# Altium PCB PCB1.PcbDoc (continued)
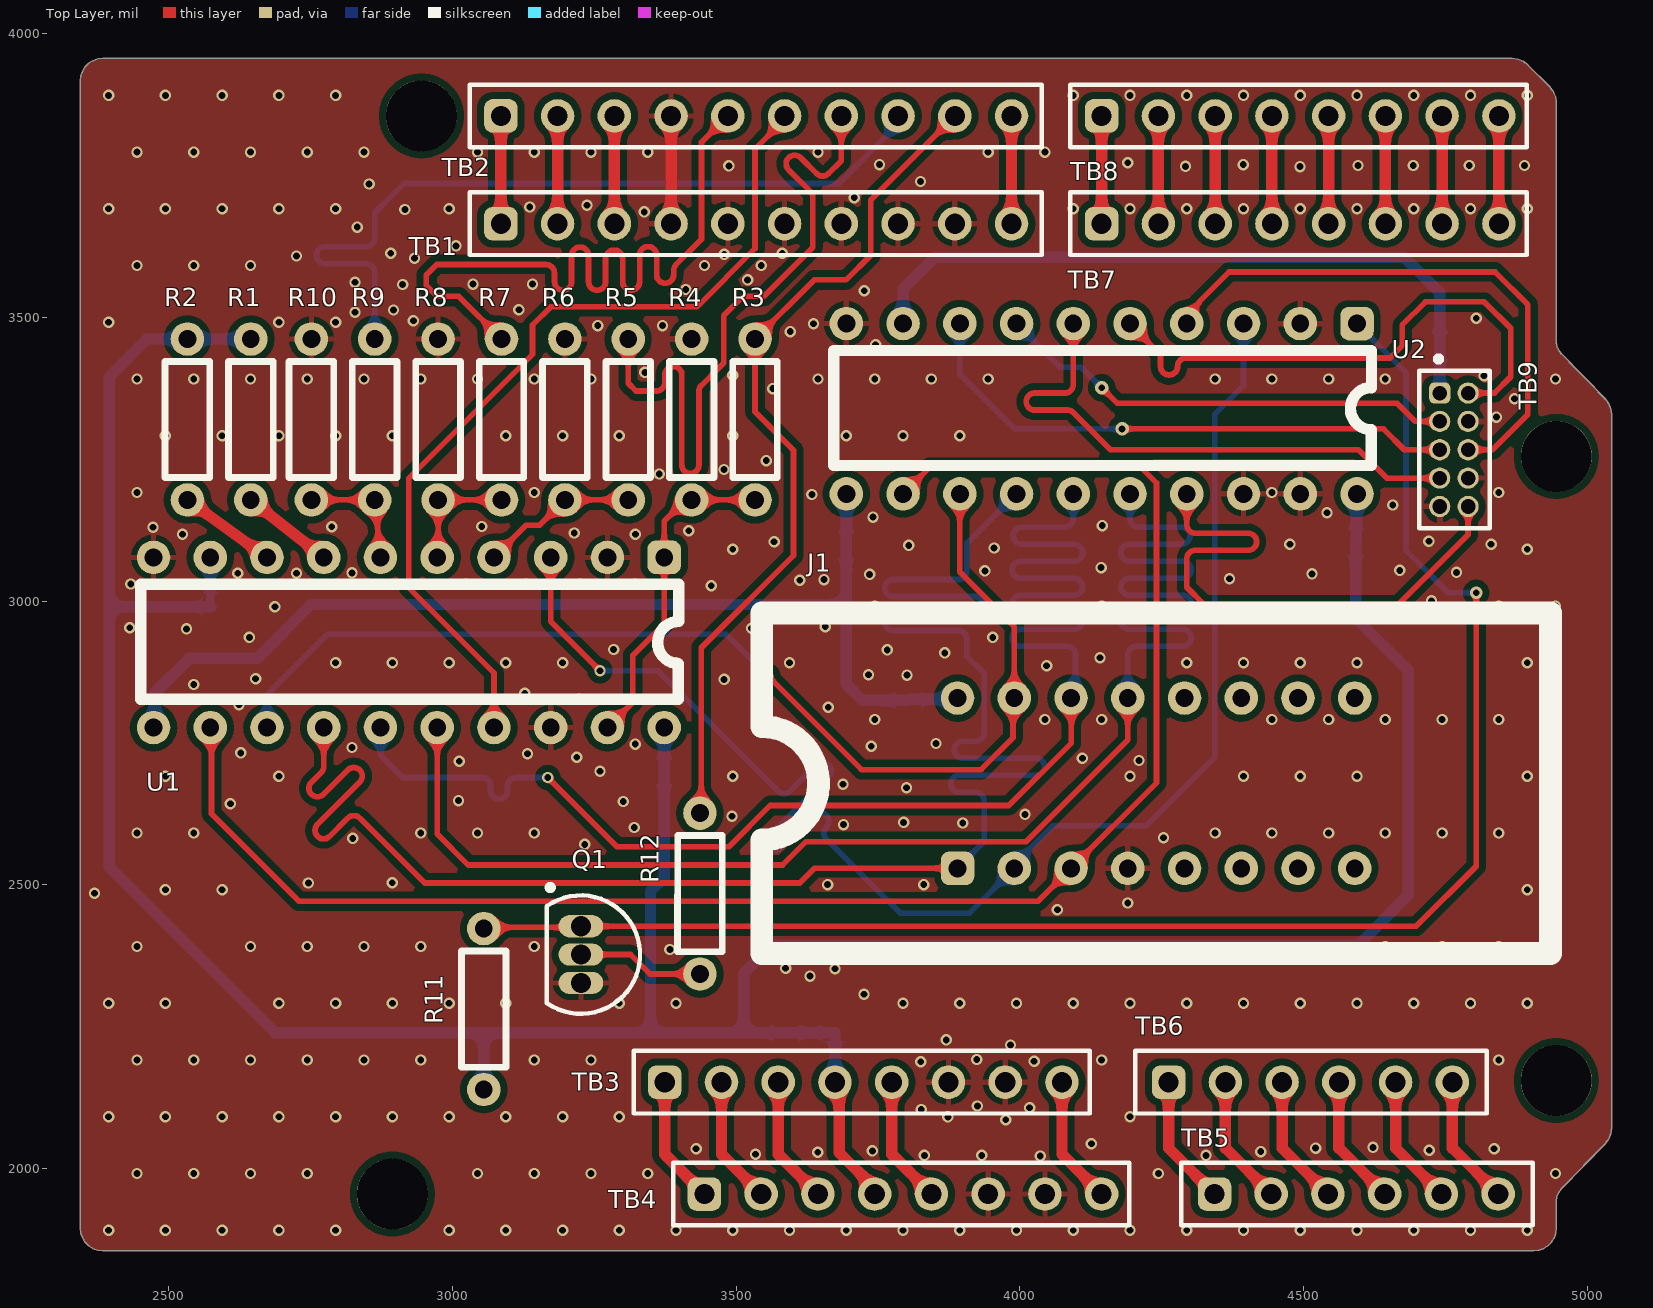
[diagram p0: Top Layer view]
## Nets (pads, with @x,y where several pads share a name; then routed paths per layer and width w, separated by ;. In a path a pad name is that pad's centre, name@x,y a point inside that pad or via, vN(x,y) a via of type N, cw(c..) or ccw(c..) an arc to the next point about the centre after c; other vN are vias at no path point) (continued)
  Top Layer w19.68: R1.1 U1.7
HOLD_OUT: TB9.2 U2.7 | length 817.1
  Top Layer w10: v2(4144,3376.01) 4171.62,3348.38 4664.94,3348.38 4696.67,3316.66 TB9.2
  Bottom Layer w10: U2.7 4071,3412 4108,3412 v2(4144,3376.01)
HOLD_ZIP: J1.15 U1.13 U2.13 | length 2009.4
  Top Layer w10: v1(3555.65,2868) 3720.65,2703 3931.47,2703 3987.68,2759.2 3987.68,2826.68 J1.15 3990,2955.31 3894,3051.31 U2.13
  Bottom Layer w10: U1.13 2673,2835 2779.56,2941.56 3482.09,2941.56 v1(3555.65,2868)
MISO: TB2.6 U1.17 | length 1565.3
  Top Layer w10: U1.17 3073,2873.31 2923,3023.31 2923,3216.71 3141,3434.71 3141,3486.58 3172.95,3518.53 3430.53,3518.53 3533.07,3621.07 3533.07,3796.74 3585.18,3848.85 TB2.6
MISO_OUT: TB9.6 U2.17 | length 994
  Top Layer w10: U2.17 4294,3172.27 4294,3134.45 ccw(c4309,3134.45) 4309,3119.45 4402.11,3119.45 cw(c4402.11,3104.45) 4417.11,3104.45 cw(c4402.11,3104.45) 4402.11,3089.45 4309,3089.45 ccw(c4309,3074.45) 4294,3074.45 4294,3059.45 4294,3024.45 4324.45,2994 4666.74,2994 4789.74,3117 TB9.6
MISO_ZIP: J1.2 U1.3 U2.3 | length 2761.5
  Top Layer w10: U1.3 3173,2963.97 v1(3259.79,2877.18)
  Bottom Layer w10: v1(3259.79,2877.18) 3361.82,2877.18 3559.74,2679.26 3560.33,2678.67 3573.88,2665.12 ccw(c3584.48,2675.73) 3595.09,2665.12 3641.59,2711.62 cw(c3652.2,2701.02) 3662.81,2711.62 cw(c3652.2,2701.02) 3662.81,2690.41 3559.01,2586.62 ccw(c3569.62,2576.01) 3559.01,2565.4 ccw(c3569.62,2576.01) 3580.23,2565.4 3637.52,2622.7 cw(c3648.12,2612.09) 3658.73,2622.7 cw(c3648.12,2612.09) 3658.73,2601.48 ccw(c3669.34,2590.88) 3658.73,2580.27 3669.34,2569.66 3690.55,2548.45 3711.76,2527.24 3732.98,2506.02 3754.19,2484.81 3789,2450 3797.72,2450 3911,2450 J1.2 3990,2536 4058,2604 4222.68,2604 4343.47,2724.79 4343.47,3329.48 4394,3380 U2.3
MOSI: R5.2 TB2.7 | length 1291.7
  Top Layer w10: R5.2 3309.67,3383.88 3323.36,3370.19 3329.61,3370.19 3330.55,3370.19 3359.2,3370.19 ccw(c3359.2,3385.19) 3374.2,3385.19 3374.2,3398.47 cw(c3389.2,3398.47) 3389.2,3413.47 cw(c3389.2,3398.47) 3404.2,3398.47 3404.2,3239.8 ccw(c3419.2,3239.8) 3419.2,3224.8 ccw(c3419.2,3239.8) 3434.2,3239.8 3434.2,3369.55 cw(c3449.2,3369.55) 3438.6,3380.16 3469.2,3410.76 3478,3419.56 3478,3503.08 3511.92,3537 3548.59,3537 3635,3623.41 3635,3668 3635,3711.28 ccw(c3620,3711.28) 3630.61,3721.89 3592.34,3760.16 cw(c3602.94,3770.77) 3592.34,3781.38 cw(c3602.94,3770.77) 3613.55,3781.38 3641.45,3753.48 ccw(c3652.05,3764.08) 3662.66,3753.48 3685.18,3776 TB2.7
  Bottom Layer w10: TB2.7@3685.18,3848.47 TB2.7
MOSI_OUT: TB9.8 U2.4 | length 996.8
  Top Layer w10: U2.4 4294,3503.99 4315.81,3525.81 4315.81,3527.31 4368.52,3580.01 4837.38,3580.01 4895.11,3522.29 4895.11,3329.11 4832.65,3266.66 TB9.8
MOSI_ZIP: J1.13 U1.16 U2.16 | length 2823.5
  Top Layer w10: U1.16 2973,2589.45 3027.45,2535 3581.8,2535 3622.8,2576 4010.99,2576 4190,2755.01 J1.13
  Bottom Layer w10: J1.13 4190,2855.21 4190,2890.21 4190,2905.21 cw(c4205,2905.21) 4205,2920.21 4286.76,2920.21 ccw(c4286.76,2935.21) 4301.76,2935.21 ccw(c4286.76,2935.21) 4286.76,2950.21 4192.7,2950.21 cw(c4192.7,2965.21) 4177.7,2965.21 cw(c4192.7,2965.21) 4192.7,2980.21 4286.76,2980.21 ccw(c4286.76,2995.21) 4301.76,2995.21 ccw(c4286.76,2995.21) 4286.76,3010.21 4192.7,3010.21 cw(c4192.7,3025.21) 4177.7,3025.21 cw(c4192.7,3025.21) 4192.7,3040.21 4286.76,3040.21 ccw(c4286.76,3055.21) 4301.76,3055.21 ccw(c4286.76,3055.21) 4286.76,3070.21 4192.7,3070.21 cw(c4192.7,3085.21) 4177.7,3085.21 cw(c4192.7,3085.21) 4192.7,3100.21 4284.7,3100.21 ccw(c4284.7,3115.21) 4299.7,3115.21 ccw(c4284.7,3115.21) 4284.7,3130.21 4209,3130.21 cw(c4209,3145.21) 4194,3145.21 U2.16@4194,3174.5 ; U2.16@4194,3174.5 U2.16 U2.16@4194,3174.5
NetQ1_1: Q1.1 R11.1 U2.1 | length 2866.6
  Top Layer w10: R11.1 3057.13,2424.86 3224.06,2424.86 Q1.1 4698.21,2426.99 4804,2532.77 v3(4804,3014.64)
  Bottom Layer w10: U2.1 4680.35,3402.65 4680.35,3089.12 4754.83,3014.64 v3(4804,3014.64)
NetQ1_2: Q1.2 R12.2 | length 232.8
  Top Layer w10: Q1.2@3226.55,2376.63 Q1.2 3313.55,2376.99 3347.8,2342.74 R12.2 R12.2@3430.17,2348.57
NetR3_1: R3.1 R4.2 U1.1 U1.19 | length 585.9
  Top Layer w10: U1.19 3317.53,2821.53 3317.53,2904.29 3373,2959.76 U1.1 3373,3141.03 3406.02,3174.06 3417.16,3174.06 R4.2 ; R4.2@3421.37,3166.27 3433.37,3178.27 R3.1
NetR5_1: R5.1 R6.2 U1.4 | length 292.3
  Top Layer w10: U1.4@3062.9,3085.6 3064.4,3085.6 U1.4 3129.74,3133.74 3153.44,3133.74 R6.2 R5.1
NetR7_1: R7.1 R8.2 U1.5 | length 222
  Top Layer w10: U1.5@2967.07,3082.93 U1.5 2974.57,3078.57 R8.2 R7.1
NetR9_1: R9.1 R10.2 U1.6 | length 213.5
  Top Layer w10: R10.2@2771.73,3178.27 R9.1 U1.6 U1.6@2852.44,3077
NetTB1_1: TB1.1 TB2.1 | length 190
  Top Layer w20: TB1.1 TB2.1
NetTB1_2: TB1.2 TB2.2 | length 190
  Top Layer w20: TB1.2 TB2.2
NetTB1_3: TB1.3 TB2.3 | length 190
  Top Layer w20: TB1.3 TB2.3
NetTB1_10: TB1.10 TB2.10 | length 190
  Top Layer w20: TB1.10 TB2.10
NetTB3_1: TB3.1 TB4.1 | length 226
  Top Layer w20: TB3.1 3374,2025 TB4.1
NetTB3_2: TB3.2 TB4.2 | length 226
  Top Layer w20: TB3.2 3474,2025 TB4.2
NetTB3_3: TB3.3 TB4.3 | length 226
  Top Layer w20: TB3.3 3574,2025 TB4.3
NetTB3_5: TB3.5 TB4.5 | length 226
  Top Layer w20: TB3.5 3774,2025 TB4.5
NetTB3_8: TB3.8 TB4.8 | length 226
  Top Layer w20: TB3.8 4074,2025 TB4.8
NetTB5_1: TB5.1 TB6.1 | length 230.5
  Top Layer w20: TB6.1 4262,2035.85 TB5.1
NetTB5_2: TB5.2 TB6.2 | length 230.5
  Top Layer w20: TB6.2 4362,2035.85 TB5.2
NetTB5_3: TB5.3 TB6.3 | length 230.5
  Top Layer w20: TB6.3 4462,2035.85 TB5.3
NetTB5_4: TB5.4 TB6.4 | length 230.5
  Top Layer w20: TB6.4 4562,2035.85 TB5.4
NetTB5_5: TB5.5 TB6.5 | length 230.5
  Top Layer w20: TB6.5 4662,2035.85 TB5.5
NetTB5_6: TB5.6 TB6.6 | length 230.5
  Top Layer w20: TB6.6 4762,2035.85 TB5.6
NetTB7_1: TB7.1 TB8.1 | length 190
  Top Layer w20: TB7.1 TB8.1
NetTB7_2: TB7.2 TB8.2 | length 190
  Top Layer w20: TB7.2 TB8.2
NetTB7_3: TB7.3 TB8.3 | length 190
  Top Layer w20: TB7.3 TB8.3
NetTB7_4: TB7.4 TB8.4 | length 190
  Top Layer w20: TB7.4 TB8.4
NetTB7_5: TB7.5 TB8.5 | length 190
  Top Layer w20: TB7.5 TB8.5
NetTB7_6: TB7.6 TB8.6 | length 190
  Top Layer w20: TB7.6 TB8.6
NetTB7_7: TB7.7 TB8.7 | length 190
  Top Layer w20: TB7.7 TB8.7
NetTB7_8: TB7.8 TB8.8 | length 190
  Top Layer w20: TB7.8 TB8.8
SCK: R7.2 TB2.5 | length 1352.8
  Top Layer w10: R7.2@3087.97,3463.43 R7.2 3011,3537 2972.98,3537 2953.69,3556.29 2953.69,3574.57 2972.12,3593 3114.71,3593 3149.71,3593 3164.71,3593 cw(c3164.71,3578) 3179.71,3578 3179.71,3562.81 ccw(c3194.71,3562.81) 3194.71,3547.81 ccw(c3194.71,3562.81) 3209.71,3562.81 3209.71,3608.73 cw(c3224.71,3608.73) 3224.71,3623.73 cw(c3224.71,3608.73) 3239.71,3608.73 3239.71,3562.81 ccw(c3254.71,3562.81) 3254.71,3547.81 ccw(c3254.71,3562.81) 3269.71,3562.81 3269.71,3603.47 cw(c3284.71,3603.47) 3284.71,3618.47 cw(c3284.71,3603.47) 3299.71,3603.47 3299.71,3562.81 ccw(c3314.71,3562.81) 3314.71,3547.81 ccw(c3314.71,3562.81) 3329.71,3562.81 3329.71,3609.67 cw(c3344.71,3609.67) 3344.71,3624.67 cw(c3344.71,3609.67) 3359.71,3609.67 3359.71,3575.05 ccw(c3374.71,3575.05) 3374.71,3560.05 ccw(c3374.71,3575.05) 3389.71,3575.05 3389.71,3582.5 cw(c3404.71,3582.5) 3394.1,3593.1 3433.37,3632.37 3438.32,3637.32 ; 3438.65,3637.65 3438.65,3808.47 TB2.5
SCK_OUT: TB9.10 U2.5 | length 994.1
  Top Layer w10: U2.5 4194,3488.47 4210.88,3471.59 4243.37,3439.1 cw(c4232.77,3428.49) 4247.77,3428.49 4247.77,3413.44 ccw(c4262.77,3413.44) 4262.77,3398.44 ccw(c4262.77,3413.44) 4277.77,3413.44 4277.77,3413.5 cw(c4292.77,3413.5) 4292.77,3428.5 4312.77,3428.5 4652.23,3428.5 4673.53,3449.8 4673.53,3486.36 4714.47,3527.31 4818.24,3527.31 4864.88,3480.67 4864.88,3395.23 4836.3,3366.66 TB9.10
SCK_ZIP: J1.14 U1.15 U2.15 | length 2756
  Top Layer w10: v1@3167.79,2689 3289.79,2567 3487,2567 3559.69,2639.69 3980.16,2639.69 4090.54,2750.06 4090.54,2825.54 J1.14@4094,2829
  Bottom Layer w10: U1.15 2873,2728.17 2912.17,2689 3004.1,2689 3052,2689 cw(c3052,2674) 3067,2674 3067,2666.21 ccw(c3082,2666.21) 3082,2651.21 ccw(c3082,2666.21) 3097,2666.21 3097,2674 cw(c3112,2674) 3112,2689 3132,2689 v1(3167.77,2689) ; U2.15 4094,3174.5 4094,3145.21 cw(c4079,3145.21) 4079,3130.21 4003.3,3130.21 ccw(c4003.3,3115.21) 3988.3,3115.21 ccw(c4003.3,3115.21) 4003.3,3100.21 4095.3,3100.21 cw(c4095.3,3085.21) 4110.3,3085.21 cw(c4095.3,3085.21) 4095.3,3070.21 4001.24,3070.21 ccw(c4001.24,3055.21) 3986.24,3055.21 ccw(c4001.24,3055.21) 4001.24,3040.21 4095.3,3040.21 cw(c4095.3,3025.21) 4110.3,3025.21 cw(c4095.3,3025.21) 4095.3,3010.21 4001.24,3010.21 ccw(c4001.24,2995.21) 3986.24,2995.21 ccw(c4001.24,2995.21) 4001.24,2980.21 4095.3,2980.21 cw(c4095.3,2965.21) 4110.3,2965.21 cw(c4095.3,2965.21) 4095.3,2950.21 4001.24,2950.21 ccw(c4001.24,2935.21) 3986.24,2935.21 ccw(c4001.24,2935.21) 4001.24,2920.21 4083,2920.21 cw(c4083,2905.21) 4098,2905.21 4098,2890.21 4098,2855.21 J1.14@4098,2829
VCC_SPI_OUT: C3.2 TB9.1 U2.9 | length 1233.1
  Bottom Layer w20: U2.9 3794,3550 3850,3606 4677.74,3606 4739.87,3543.87 4739.87,3448.87 4739.87,3366.79 TB9.1
VCC_ZIP_OUT: C1.2 C2.2 J1.16 U1.11 U2.11 | length 1890.5
  Bottom Layer w20: U1.11 2475.32,2779.32 2475.32,2838.45 2535.87,2899 2655.77,2899 2750.77,2994 3694,2994 ; U2.11 C2.2 3694,2994 ; J1.16 3888,2827 3804,2827 C1.2 3722.47,2825 3694,2853.47 3694,2994
WP: R2.1 U1.8 | length 173
  Top Layer w19.68: R2.1 U1.8
WP_OUT: TB9.3 U2.8 | length 989.8
  Top Layer w10: v2(4180,3303.43) 4640.58,3303.43 4677.35,3266.66 TB9.3
  Bottom Layer w10: U2.8 3894,3400.32 3990.89,3303.43 v2(4180,3303.43)
WP_ZIP: J1.3 U1.12 U2.12 | length 2974
  Top Layer w10: U1.12 2575.32,2774.68 2575.32,2625.27 2729.59,2471 4032,2471 J1.3 4240.53,2679.53 4240.53,3208.28 4213.27,3235.53 3840.53,3235.53 U2.12
pads on no net: C1. C2. C3. C4. C5. C6. C7. C8. J1.5 J1.6 J1.7 J1.8 J1.9 J1.10 J1.11 J1.12

## Polygon pours and split planes (outlines as drawn)
GND on Top Layer "NONET_L02_P-001" (solid, remove dead copper, pour order 0): 2352.59,1869.82 2347.9,1877.29 2344.99,1885.61 2344,1894.37 2344,3917.14 2344.99,3925.9 2347.9,3934.23 2352.59,3941.69 2358.82,3947.93 2366.29,3952.62 2374.61,3955.53 2383.37,3956.51 4867.27,3956.51 4877.46,3955.17 4886.95,3951.24 4895.11,3944.98 4933.65,3906.44 4939.91,3898.29 4943.84,3888.79 4945.18,3878.6 4945.18,3457.83 4946.22,3449.8 4949.28,3442.3 4954.14,3435.82 5031.62,3356.47 5037.7,3348.38 5041.52,3339.01 5042.82,3328.97 5042.82,2071.03 5041.52,2060.99 5037.7,2051.62 5031.62,2043.53 4954.14,1964.18 4949.28,1957.7 4946.22,1950.2 4945.18,1942.17 4945.18,1894.37 4944.19,1885.61 4941.28,1877.29 4936.59,1869.82 4930.36,1863.59 4922.89,1858.9 4914.57,1855.99 4905.81,1855 2383.37,1855 2374.61,1855.99 2366.29,1858.9 2358.82,1863.59
GND on Bottom Layer "NONET_L02_P-001" (solid, remove dead copper, pour order 1): 2352.59,1869.82 2347.9,1877.29 2344.99,1885.61 2344,1894.37 2344,3917.14 2344.99,3925.9 2347.9,3934.23 2352.59,3941.69 2358.82,3947.93 2366.29,3952.62 2374.61,3955.53 2383.37,3956.51 4867.27,3956.51 4877.46,3955.17 4886.95,3951.24 4895.11,3944.98 4933.65,3906.44 4939.91,3898.29 4943.84,3888.79 4945.18,3878.6 4945.18,3457.83 4946.22,3449.8 4949.28,3442.3 4954.14,3435.82 5031.62,3356.47 5037.7,3348.38 5041.52,3339.01 5042.82,3328.97 5042.82,2071.03 5041.52,2060.99 5037.7,2051.62 5031.62,2043.53 4954.14,1964.18 4949.28,1957.7 4946.22,1950.2 4945.18,1942.17 4945.18,1894.37 4944.19,1885.61 4941.28,1877.29 4936.59,1869.82 4930.36,1863.59 4922.89,1858.9 4914.57,1855.99 4905.81,1855 2383.37,1855 2374.61,1855.99 2366.29,1858.9 2358.82,1863.59

## Other copper
Top Layer:
  pour cut-out: 3460,3530 3433,3503 3456,3480 3458,3480 3458,3489 3510,3550 3502,3569 3501,3570
  pour cut-out: 2707,2174
  pour cut-out: 3268,2459 3269,2458 4036,2458 4036,2438 4035,2439 3269,2439
  text "TOP COPPER" at 17643,1461 h450
Bottom Layer:
  text "BOTTOM COPPER" at 17643,1461 h450

## Silkscreen, mask and mechanical layers (free items; w line width, h text height)
Top Overlay:
  text "TOP OVERLAY (PRINT)" at 17593,1463.75 h450
Bottom Overlay:
  text "BOTTOM OVERLAY (PRINT)" at 17593,1463.75 h450
Top Paste:
  text "(Solder Paste Stencil Apertures)" at 19313,1541 h200
  text "TOP PASTE" at 17643,1461 h450
Bottom Paste:
  text "BOTTOM PASTE" at 17643,1461 h450
  text "(Solder Paste  / Stencil Apertures)" at 19866,1312 h200
Stack1 Top Coverlay:
  text "TOP SOLDER MASK" at 17643,1461 h450
Bottom Solder:
  text "BOTTOM SOLDER MASK" at 17643,1461 h450
Boar Shape:
  the board outline again, w10
  text "(PCB OUTLINE/BOUNDARY)" at 19743,1527.38 h200
  text "BOARD SHAPE" at 17643,1461 h450
Panel Shape:
  text "PANEL SHAPE" at 17643,1461 h450
  text "PCB Panel (Board Array)  / Outline/Boundary" at 19646,1304.85 h200
Route Tool Path:
  text "ROUTE TOOL PATCH" at 17643,1461 h450
V Cut:
  text "V CUT GUIDES" at 17642.5,1461 h450
Stencil Shape:
  text "STENCIL SHAPE" at 17642,1461 h450
  text "(SOLDER PASTE STENCIL OUTLINE/BOUNDARY)" at 19836,1312 h200
Stencil Fiducials:
  text "STENCIL FIDUCIALS" at 17642,1461 h450
  text "(SOLDER PASTE STENCIL / FIDUCIAL MARKERS)" at 20216,1312 h170
Top Overlay-HDI:
  text "TOP OVERLAY (PRINT)" at 17593,1463.75 h450
Bottom Overlay-HDI:
  text "BOTTOM OVERLAY (PRINT)" at 17593,1463.75 h450
Gold Plating Top (Mech29):
  text "TOP HARD GOLD PLATING" at 17593,1463.75 h450
Gold Plating Bottom (Mech30):
  text "BOTTOM HARD GOLD PLATING" at 17593,1463.75 h440
Fab Notes (Mech100):
  drawing of 8683 lines, arcs and shapes, not listed
  text "4" at 2729.41,16686.15 h240
  text "3" at 8229.41,16686.15 h240
  text "2" at 13729.41,16686.15 h240
  text "1" at 19229.41,16686.15 h240
  text "REVISION HISTORY" at 16462.9,16337.43 h140
  text "ZONE" at 12440.58,16087.43 h140
  text "REV" at 12967.33,16087.43 h140
  text "DESCRIPTION" at 16103.92,16087.43 h140
  text "DATE" at 19788.35,16087.43 h140
  text "APPROVED" at 20666.9,16087.43 h140
  text "D" at 204.74,14811.15 h240
  text "D" at 21704.74,14811.15 h240
  text "C" at 204.74,10561.15 h240
  text "C" at 21704.74,10561.15 h240
  text "B" at 204.74,6311.15 h240
  text "D" at 21704.74,6311.15 h240
  text "MAGENTA CITY, LLC." at 18637.93,2385 h120
  text "APPROVALS" at 15921,2338 h120
  text "SECURITY CLASSIFICATION:" at 12332,2325 h140
  text "SECRET DATA" at 13503,2325 h140
  text "*" at 18637.67,2222.84 h120
  text "+1-323-375-1152" at 20727,2196 h130
  text "Schematic Engineer" at 15288,2150 h120
  text "Date" at 16739,2150 h120
  text "*" at 18637.67,2106.04 h120
  text ".PRINT_DATE" at 13067,2083.09 h140
  text "DATE OF ISSUE:" at 12332.39,2082 h140
  text "DECIPHERED DATE:" at 13819,2082 h140
  text "NONE" at 14672,2081.69 h140
  text "rnd@magenta.city" at 20727,2072 h130
  text "A" at 204.74,2061.15 h240
  text "A" at 21704.74,2061.15 h240
  text "'.Print_Date'" at 16738.67,2043.2 h120
  text "Eugene D." at 15288,2042 h120
  text "*" at 18637.67,1989.24 h120
  text "www.magenta.city" at 20726.71,1940 h130
  text "USA" at 18638,1906 h120
  text "PCB Design Engineer" at 15288,1900 h120
  text "Date" at 16739,1900 h120
  text "T" at 12327,1832 h136
  text "H" at 12380.41,1832 h136
  text "I" at 12435.5,1832 h136
  text "S" at 12453.86,1832 h136
  text "S" at 12547.33,1832 h136
  text "H" at 12602.41,1832 h136
  text "E" at 12657.49,1832 h136
  text "E" at 12705.9,1832 h136
  text "T" at 12750.97,1832 h136
  text "O" at 12844.44,1832 h136
  text "F" at 12899.52,1832 h136
  text "E" at 12986.32,1832 h136
  text "N" at 13031.39,1832 h136
  text "G" at 13086.47,1832 h136
  text "I" at 13141.55,1832 h136
  text "N" at 13161.58,1832 h136
  text "E" at 13216.66,1832 h136
  text "E" at 13265.07,1832 h136
  text "R" at 13313.48,1832 h136
  text "I" at 13368.56,1832 h136
  text "N" at 13388.59,1832 h136
  text "G" at 13443.67,1832 h136
  text "D" at 13537.14,1832 h136
  text "R" at 13592.23,1832 h136
  text "A" at 13642.3,1832 h136
  text "W" at 13692.38,1832 h136
  text "I" at 13779.17,1832 h136
  text "N" at 13799.2,1832 h136
  text "G" at 13854.28,1832 h136
  text "I" at 13954.43,1832 h136
  text "S" at 13972.79,1832 h136
  text "T" at 14066.27,1832 h136
  text "H" at 14119.68,1832 h136
  text "E" at 14174.76,1832 h136
  text "P" at 14261.56,1832 h136
  text "R" at 14316.64,1832 h136
  text "O" at 14371.73,1832 h136
  text "P" at 14426.81,1832 h136
  text "R" at 14481.89,1832 h136
  text "I" at 14536.97,1832 h136
  text "E" at 14560.34,1832 h136
  text "T" at 14605.41,1832 h136
  text "A" at 14645.47,1832 h136
  text "R" at 14705.56,1832 h136
  text "Y" at 14753.96,1832 h136
  text "'.Print_Date'" at 16738.67,1787.2 h120
  text "Eugene D." at 15288,1786 h120
  text "TITLE" at 17290,1760 h140
  text "P" at 12327,1691.79 h136
  text "R" at 12382.08,1691.79 h136
  text "O" at 12437.16,1691.79 h136
  text "P" at 12492.25,1691.79 h136
  text "E" at 12547.33,1691.79 h136
  text "R" at 12595.74,1691.79 h136
  text "T" at 12645.81,1691.79 h136
  text "Y" at 12699.22,1691.79 h136
  text "O" at 12792.7,1691.79 h136
  text "F" at 12847.78,1691.79 h136
  text "M" at 12934.58,1691.79 h136
  text "A" at 12994.67,1691.79 h136
  text "G" at 13051.42,1691.79 h136
  text "E" at 13106.5,1691.79 h136
  text "N" at 13151.57,1691.79 h136
  text "T" at 13203.31,1691.79 h136
  text "A" at 13243.37,1691.79 h136
  text "C" at 13345.19,1691.79 h136
  text "I" at 13398.6,1691.79 h136
  text "T" at 13416.96,1691.79 h136
  text "Y" at 13470.38,1691.79 h136
  text "," at 13505.43,1691.79 h136
  text "L" at 13568.86,1691.79 h136
  text "L" at 13613.92,1691.79 h136
  text "C" at 13655.65,1691.79 h136
  text "." at 13709.07,1691.79 h136
  text "A" at 13764.15,1691.79 h136
  text "N" at 13820.9,1691.79 h136
  text "D" at 13875.98,1691.79 h136
  text "C" at 13969.46,1691.79 h136
  text "O" at 14019.53,1691.79 h136
  text "N" at 14074.61,1691.79 h136
  text "T" at 14126.36,1691.79 h136
  text "A" at 14166.42,1691.79 h136
  text "I" at 14226.51,1691.79 h136
  text "N" at 14246.54,1691.79 h136
  text "S" at 14298.28,1691.79 h136
  text "C" at 14391.75,1691.79 h136
  text "O" at 14441.83,1691.79 h136
  text "N" at 14496.91,1691.79 h136
  text "F" at 14551.99,1691.79 h136
  text "I" at 14597.06,1691.79 h136
  text "D" at 14617.09,1691.79 h136
  text "E" at 14672.17,1691.79 h136
  text "N" at 14717.24,1691.79 h136
  text "T" at 14768.99,1691.79 h136
  text "I" at 14822.4,1691.79 h136
  text "A" at 14842.43,1691.79 h136
  text "L" at 14902.52,1691.79 h136
  text "A" at 14985.98,1691.79 h136
  text "N" at 15042.73,1691.79 h136
  text "D" at 15097.81,1691.79 h136
  text "Drawn By" at 15288,1655 h120
  text "Date" at 16739,1655.13 h120
  text "T" at 12327,1551.58 h136
  text "R" at 12382.08,1551.58 h136
  text "A" at 12432.16,1551.58 h136
  text "D" at 12495.59,1551.58 h136
  text "E" at 12550.67,1551.58 h136
  text "S" at 12637.46,1551.58 h136
  text "E" at 12692.55,1551.58 h136
  text "C" at 12734.28,1551.58 h136
  text "R" at 12787.69,1551.58 h136
  text "E" at 12842.77,1551.58 h136
  text "T" at 12887.84,1551.58 h136
  text "I" at 12987.99,1551.58 h136
  text "N" at 13008.02,1551.58 h136
  text "F" at 13063.1,1551.58 h136
  text "O" at 13106.5,1551.58 h136
  text "R" at 13161.58,1551.58 h136
  text "M" at 13216.66,1551.58 h136
  text "A" at 13276.75,1551.58 h136
  text "T" at 13323.49,1551.58 h136
  text "I" at 13376.9,1551.58 h136
  text "O" at 13396.93,1551.58 h136
  text "N" at 13452.02,1551.58 h136
  text "." at 13507.1,1551.58 h136
  text "T" at 13562.18,1551.58 h136
  text "H" at 13615.59,1551.58 h136
  text "I" at 13670.68,1551.58 h136
  text "S" at 13689.04,1551.58 h136
  text "S" at 13782.51,1551.58 h136
  text "H" at 13837.59,1551.58 h136
  text "E" at 13892.68,1551.58 h136
  text "E" at 13941.08,1551.58 h136
  text "T" at 13986.15,1551.58 h136
  text "M" at 14079.62,1551.58 h136
  text "A" at 14139.71,1551.58 h136
  text "Y" at 14189.79,1551.58 h136
  text "N" at 14283.26,1551.58 h136
  text "O" at 14338.34,1551.58 h136
  text "T" at 14393.42,1551.58 h136
  text "B" at 14486.9,1551.58 h136
  text "E" at 14541.98,1551.58 h136
  text "T" at 14628.78,1551.58 h136
  text "R" at 14683.86,1551.58 h136
  text "A" at 14733.93,1551.58 h136
  text "N" at 14790.68,1551.58 h136
  text "S" at 14842.43,1551.58 h136
  text "F" at 14897.51,1551.58 h136
  text "E" at 14945.92,1551.58 h136
  text "R" at 14994.32,1551.58 h136
  text "E" at 15049.41,1551.58 h136
  text "D" at 15097.81,1551.58 h136
  text "'.Print_Date'" at 16738.67,1535.2 h120
  text "Eugene D." at 15288,1534 h120
  text "F" at 12327,1411.37 h136
  text "R" at 12375.41,1411.37 h136
  text "O" at 12430.49,1411.37 h136
  text "M" at 12485.57,1411.37 h136
  text "T" at 12587.39,1411.37 h136
  text "H" at 12640.8,1411.37 h136
  text "E" at 12695.89,1411.37 h136
  text "C" at 12782.68,1411.37 h136
  text "U" at 12836.09,1411.37 h136
  text "S" at 12891.18,1411.37 h136
  text "T" at 12942.92,1411.37 h136
  text "O" at 12993,1411.37 h136
  text "D" at 13048.08,1411.37 h136
  text "Y" at 13103.16,1411.37 h136
  text "O" at 13196.63,1411.37 h136
  text "F" at 13251.72,1411.37 h136
  text "T" at 13338.51,1411.37 h136
  text "H" at 13391.93,1411.37 h136
  text "E" at 13447.01,1411.37 h136
  text "C" at 13533.81,1411.37 h136
  text "O" at 13583.88,1411.37 h136
  text "M" at 13638.96,1411.37 h136
  text "P" at 13702.39,1411.37 h136
  text "E" at 13757.47,1411.37 h136
  text "T" at 13802.54,1411.37 h136
  text "E" at 13855.95,1411.37 h136
  text "N" at 13901.02,1411.37 h136
  text "T" at 13952.77,1411.37 h136
  text "D" at 14046.24,1411.37 h136
  text "I" at 14101.32,1411.37 h136
  text "V" at 14121.35,1411.37 h136
  text "I" at 14176.43,1411.37 h136
  text "S" at 14194.79,1411.37 h136
  text "I" at 14249.88,1411.37 h136
  text "O" at 14269.91,1411.37 h136
  text "N" at 14324.99,1411.37 h136
  text "O" at 14418.46,1411.37 h136
  text "F" at 14473.54,1411.37 h136
  text "R" at 14560.34,1411.37 h136
  text "&" at 14615.42,1411.37 h136
  text "D" at 14688.87,1411.37 h136
  text "Checked By" at 15287.73,1407 h120
  text "Date" at 16739,1407 h120
  text "*" at 16738.67,1287.2 h120
  text "*" at 15288,1286 h120
  text "D" at 12327,1271.16 h136
  text "E" at 12382.08,1271.16 h136
  text "P" at 12430.49,1271.16 h136
  text "A" at 12472.22,1271.16 h136
  text "R" at 12532.31,1271.16 h136
  text "T" at 12582.38,1271.16 h136
  text "M" at 12637.46,1271.16 h136
  text "E" at 12700.89,1271.16 h136
  text "N" at 12745.96,1271.16 h136
  text "T" at 12797.7,1271.16 h136
  text "E" at 12891.18,1271.16 h136
  text "X" at 12939.58,1271.16 h136
  text "C" at 12994.67,1271.16 h136
  text "E" at 13048.08,1271.16 h136
  text "P" at 13096.48,1271.16 h136
  text "T" at 13151.57,1271.16 h136
  text "A" at 13245.04,1271.16 h136
  text "S" at 13301.79,1271.16 h136
  text "A" at 13395.26,1271.16 h136
  text "U" at 13452.02,1271.16 h136
  text "T" at 13505.43,1271.16 h136
  text "H" at 13558.84,1271.16 h136
  text "O" at 13613.92,1271.16 h136
  text "R" at 13669.01,1271.16 h136
  text "I" at 13724.09,1271.16 h136
  text "Z" at 13744.12,1271.16 h136
  text "E" at 13799.2,1271.16 h136
  text "D" at 13847.61,1271.16 h136
  text "B" at 13941.08,1271.16 h136
  text "Y" at 13996.16,1271.16 h136
  text "M" at 14089.64,1271.16 h136
  text "A" at 14149.73,1271.16 h136
  text "G" at 14206.48,1271.16 h136
  text "E" at 14261.56,1271.16 h136
  text "N" at 14306.63,1271.16 h136
  text "T" at 14358.37,1271.16 h136
  text "A" at 14398.43,1271.16 h136
  text "C" at 14500.25,1271.16 h136
  text "I" at 14553.66,1271.16 h136
  text "T" at 14572.02,1271.16 h136
  text "Y" at 14625.44,1271.16 h136
  text "," at 14660.49,1271.16 h136
  text "L" at 14723.92,1271.16 h136
  text "L" at 14768.99,1271.16 h136
  text "C" at 14810.71,1271.16 h136
  text "." at 14864.13,1271.16 h136
  text "PCB (Printed Circuit Board) DIAGRAM" at 18736,1170 h240
  text "Approved By" at 15288,1150 h120
  text "Date" at 16739,1150.27 h120
  text "N" at 12327,1130.95 h136
  text "E" at 12382.08,1130.95 h136
  text "I" at 12430.49,1130.95 h136
  text "T" at 12448.85,1130.95 h136
  text "H" at 12502.26,1130.95 h136
  text "E" at 12557.34,1130.95 h136
  text "R" at 12605.75,1130.95 h136
  text "T" at 12699.22,1130.95 h136
  text "H" at 12752.64,1130.95 h136
  text "I" at 12807.72,1130.95 h136
  text "S" at 12826.08,1130.95 h136
  text "S" at 12919.55,1130.95 h136
  text "H" at 12974.64,1130.95 h136
  text "E" at 13029.72,1130.95 h136
  text "E" at 13078.12,1130.95 h136
  text "T" at 13123.19,1130.95 h136
  text "N" at 13216.66,1130.95 h136
  text "O" at 13271.75,1130.95 h136
  text "R" at 13326.83,1130.95 h136
  text "T" at 13420.3,1130.95 h136
  text "H" at 13473.72,1130.95 h136
  text "E" at 13528.8,1130.95 h136
  text "I" at 13622.27,1130.95 h136
  text "N" at 13642.3,1130.95 h136
  text "F" at 13697.38,1130.95 h136
  text "O" at 13740.78,1130.95 h136
  text "R" at 13795.86,1130.95 h136
  text "M" at 13850.95,1130.95 h136
  text "A" at 13911.04,1130.95 h136
  text "T" at 13957.77,1130.95 h136
  text "I" at 14011.19,1130.95 h136
  text "O" at 14031.22,1130.95 h136
  text "N" at 14086.3,1130.95 h136
  text "I" at 14186.45,1130.95 h136
  text "T" at 14204.81,1130.95 h136
  text "C" at 14298.28,1130.95 h136
  text "O" at 14348.36,1130.95 h136
  text "N" at 14403.44,1130.95 h136
  text "T" at 14455.18,1130.95 h136
  text "A" at 14495.24,1130.95 h136
  text "I" at 14555.33,1130.95 h136
  text "N" at 14575.36,1130.95 h136
  text "S" at 14627.11,1130.95 h136
  text "M" at 14720.58,1130.95 h136
  text "A" at 14780.67,1130.95 h136
  text "Y" at 14830.74,1130.95 h136
  text "B" at 14924.22,1130.95 h136
  text "E" at 14979.3,1130.95 h136
  text "*" at 16738.67,1037.2 h120
  text "*" at 15288,1036 h120
  text "SIZE" at 17340,999.84 h140
  text "DWG NO" at 17660,1000 h140
  text "REV" at 21179.13,1000 h140
  text "U" at 12327,992.41 h136
  text "S" at 12382.08,992.41 h136
  text "E" at 12437.16,992.41 h136
  text "D" at 12485.57,992.41 h136
  text "B" at 12579.04,992.41 h136
  text "Y" at 12634.13,992.41 h136
  text "O" at 12727.6,992.41 h136
  text "R" at 12782.68,992.41 h136
  text "D" at 12876.15,992.41 h136
  text "I" at 12931.24,992.41 h136
  text "S" at 12949.6,992.41 h136
  text "C" at 13001.34,992.41 h136
  text "L" at 13054.76,992.41 h136
  text "O" at 13099.82,992.41 h136
  text "S" at 13154.91,992.41 h136
  text "E" at 13209.99,992.41 h136
  text "D" at 13258.39,992.41 h136
  text "T" at 13351.87,992.41 h136
  text "O" at 13401.94,992.41 h136
  text "A" at 13495.41,992.41 h136
  text "N" at 13552.17,992.41 h136
  text "Y" at 13607.25,992.41 h136
  text "T" at 13700.72,992.41 h136
  text "H" at 13754.13,992.41 h136
  text "I" at 13809.22,992.41 h136
  text "R" at 13829.25,992.41 h136
  text "D" at 13884.33,992.41 h136
  text "P" at 13977.8,992.41 h136
  text "A" at 14019.53,992.41 h136
  text "R" at 14079.62,992.41 h136
  text "T" at 14129.7,992.41 h136
  text "Y" at 14183.11,992.41 h136
  text "W" at 14276.58,992.41 h136
  text "I" at 14363.38,992.41 h136
  text "T" at 14381.74,992.41 h136
  text "H" at 14435.15,992.41 h136
  text "O" at 14490.24,992.41 h136
  text "U" at 14545.32,992.41 h136
  text "T" at 14598.73,992.41 h136
  text "P" at 14692.2,992.41 h136
  text "R" at 14747.29,992.41 h136
  text "I" at 14802.37,992.41 h136
  text "O" at 14822.4,992.41 h136
  text "R" at 14877.48,992.41 h136
  text "UNLESS OTHERWISE SPECIFIED" at 15287.93,886 h140
  text "W" at 12327,852.2 h136
  text "R" at 12417.13,852.2 h136
  text "I" at 12472.22,852.2 h136
  text "T" at 12490.58,852.2 h136
  text "T" at 12543.99,852.2 h136
  text "E" at 12597.4,852.2 h136
  text "N" at 12642.47,852.2 h136
  text "C" at 12735.95,852.2 h136
  text "O" at 12786.02,852.2 h136
  text "N" at 12841.1,852.2 h136
  text "S" at 12892.85,852.2 h136
  text "E" at 12947.93,852.2 h136
  text "N" at 12993,852.2 h136
  text "T" at 13044.74,852.2 h136
  text "O" at 13138.21,852.2 h136
  text "F" at 13193.3,852.2 h136
  text "M" at 13280.09,852.2 h136
  text "A" at 13340.18,852.2 h136
  text "G" at 13396.93,852.2 h136
  text "E" at 13452.02,852.2 h136
  text "N" at 13497.08,852.2 h136
  text "T" at 13548.83,852.2 h136
  text "A" at 13588.89,852.2 h136
  text "C" at 13690.71,852.2 h136
  text "I" at 13744.12,852.2 h136
  text "T" at 13762.48,852.2 h136
  text "Y" at 13815.89,852.2 h136
  text "," at 13850.95,852.2 h136
  text "L" at 13914.37,852.2 h136
  text "L" at 13959.44,852.2 h136
  text "C" at 14001.17,852.2 h136
  text "." at 14054.58,852.2 h136
  text "C" at 17391.14,797 h240
  text "*" at 19316,797 h240
  text "A0" at 21157,797 h240
  text "DIM ARE IN MILS (1inch=1000mil)" at 15287.93,771 h140
  text "File: '.Pcb_File_Name_No_Path'" at 15288,650 h120
  text "SCALE" at 17289.69,579.28 h140
  text "SHEET" at 19800,579.28 h140
  text "OF" at 20683,579.35 h140
  text "1:1" at 17670,546 h240
  text "1" at 20547,546 h240
  text "1" at 20850,546 h240
  text "Software: Altium Designer '.Application_BuildNumber'" at 15287.73,537 h120
  text "4" at 2729.41,186.15 h240
  text "3" at 8229.41,186.15 h240
  text "2" at 13729.41,186.15 h240
  text "1" at 19229.41,186.15 h240